# KiCad board processed.kicad_pcb (continued)
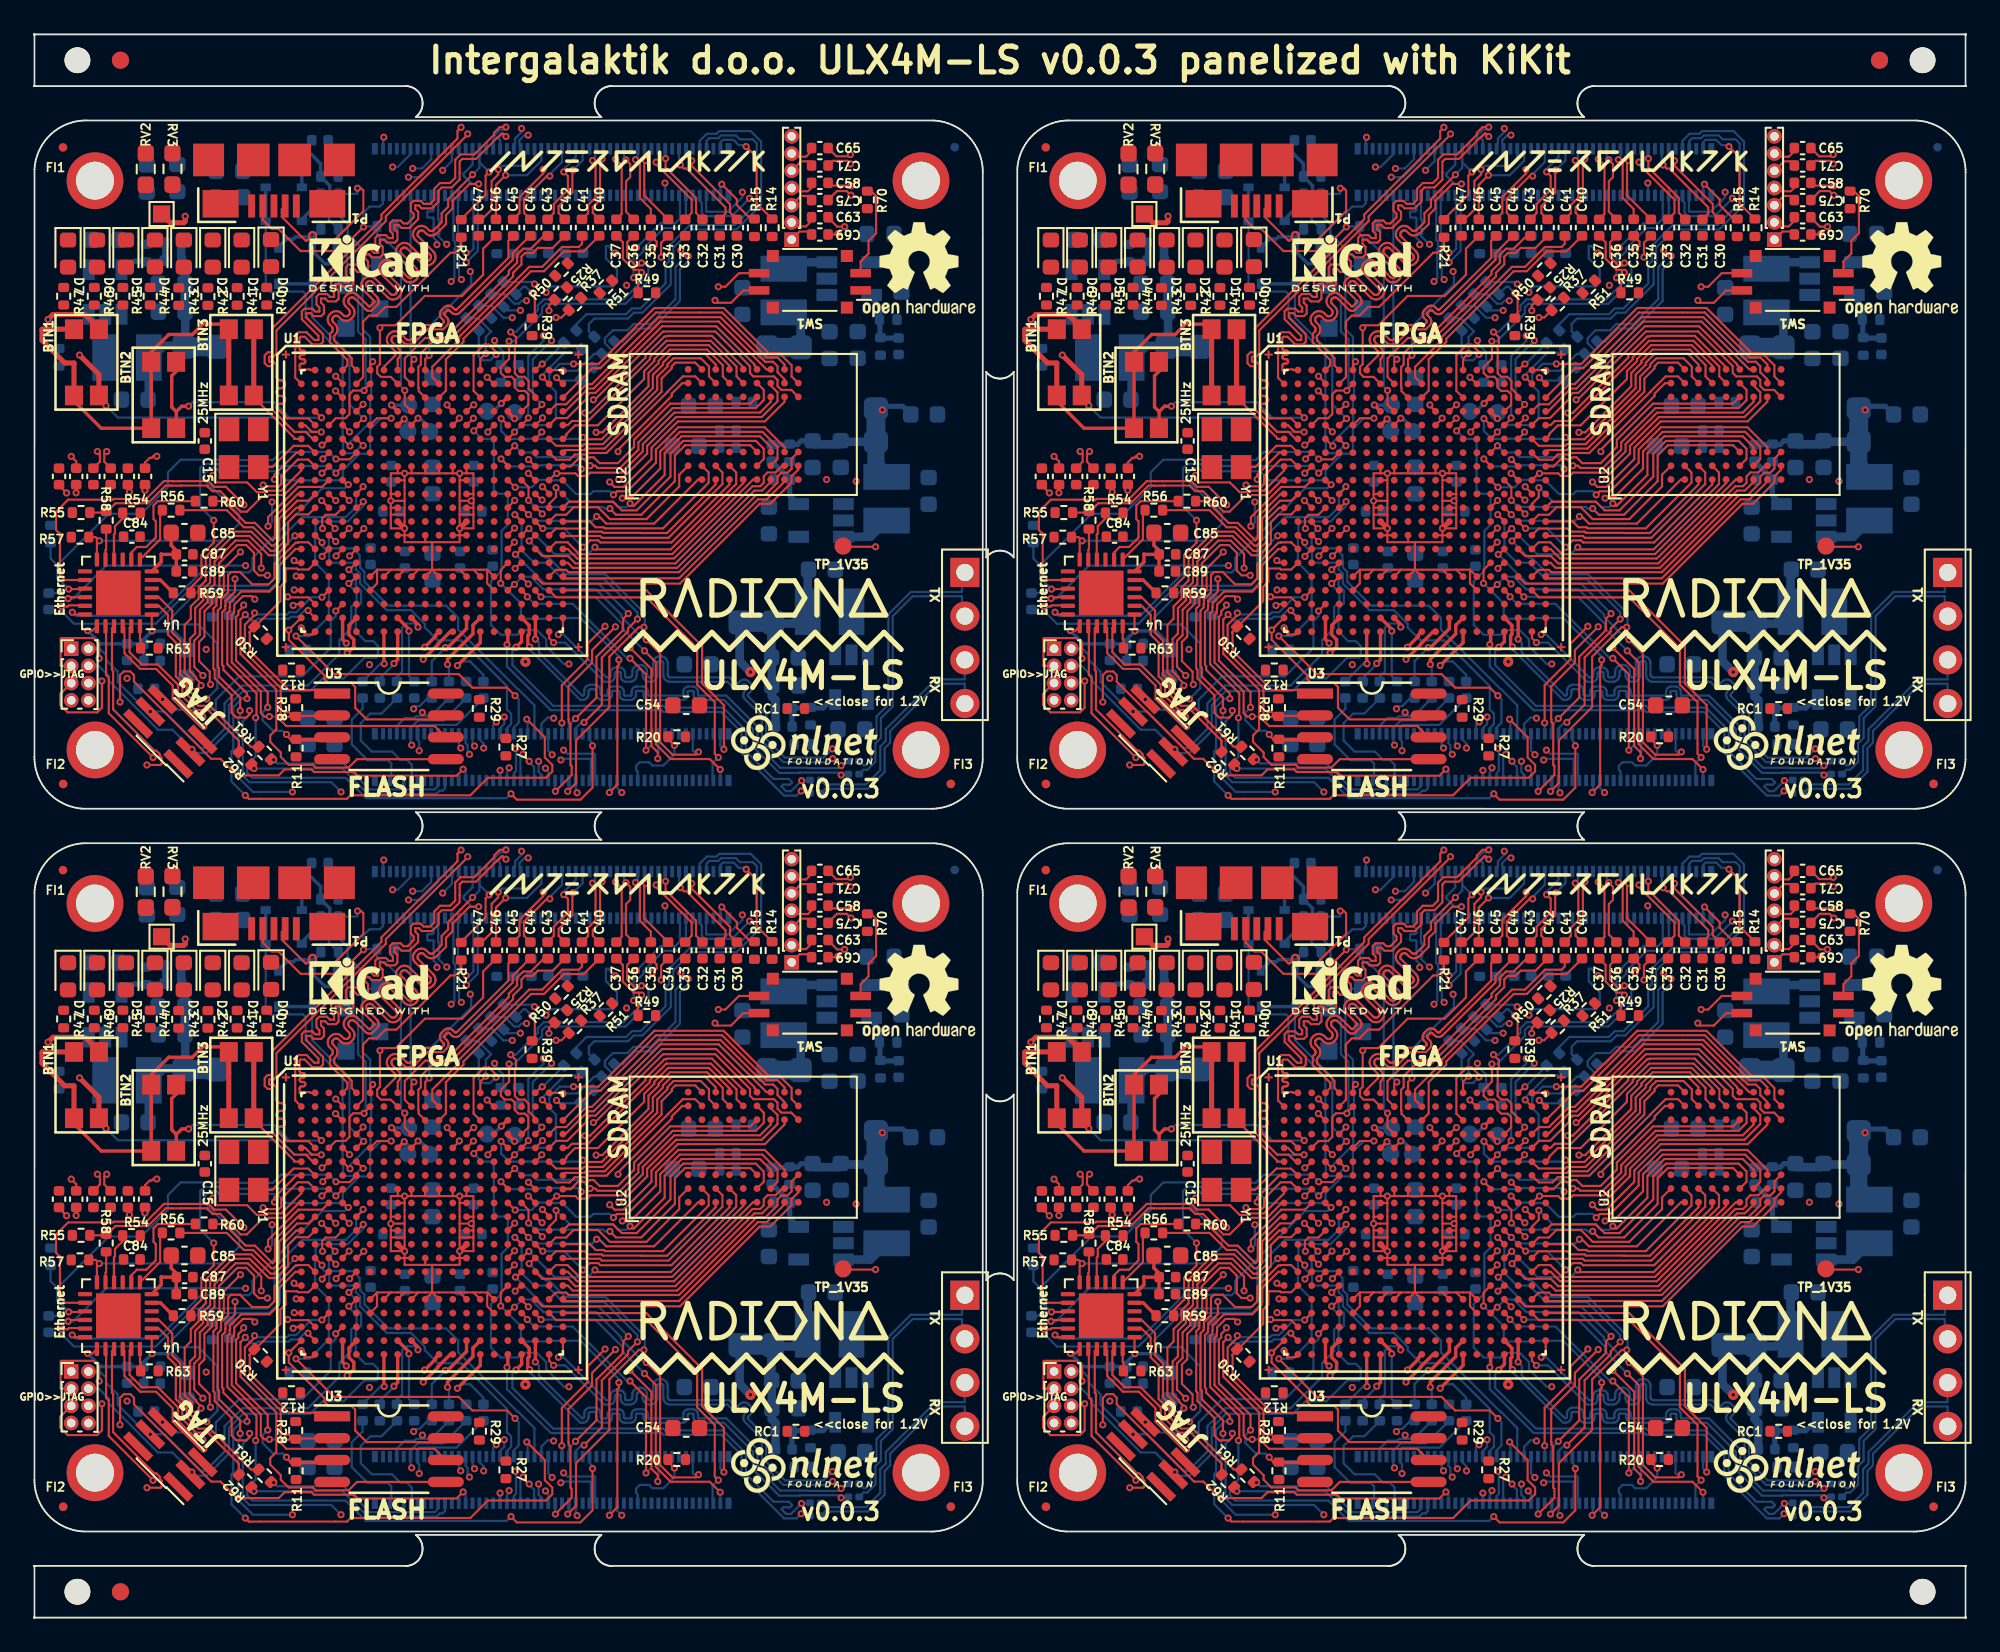
[diagram p0: board, top side]
## Routing (per net, layer and track width the routed paths; a pad name or vN(x,y) marks a point on that pad's centre or on a via; arc(x,y) is an arc through that point) (continued)
Board_0-CAM1_D0_P: length 20.4
  Top w0.127: v1(17.5,71.29) 17.89,70.9 U1.C4
  In2.Cu w0.127: v1(17.5,71.29) 17.71,71.49 17.71,71.63 18.58,72.5 18.6,72.52 18.66,72.59 18.7,72.68 18.72,72.77 18.72,72.87 18.7,72.96 18.66,73.05 18.6,73.12 18.38,73.34 18.36,73.37 18.34,73.41 18.33,73.46 18.33,73.5 18.34,73.54 18.36,73.58 18.38,73.62 18.42,73.64 18.46,73.66 18.5,73.67 18.54,73.67 18.58,73.66 18.62,73.64 18.66,73.62 18.88,73.4 18.95,73.34 19.04,73.3 19.13,73.27 19.23,73.27 19.32,73.3 19.41,73.34 19.48,73.4 19.5,73.42 19.5,73.42 19.54,73.42 20.68,74.56 20.7,74.57 20.71,74.58 20.72,74.58 20.74,74.58 20.76,74.58 20.77,74.57 20.78,74.56 20.89,74.46 20.94,74.41 21,74.38 21.07,74.37 21.14,74.37 21.21,74.38 21.27,74.41 21.33,74.46 21.46,74.59 21.5,74.65 21.54,74.71 21.55,74.78 21.55,74.85 21.54,74.91 21.5,74.98 21.46,75.03 21.36,75.14 21.35,75.15 21.34,75.16 21.34,75.18 21.34,75.19 21.34,75.21 21.35,75.22 21.36,75.24 21.43,75.31 21.43,75.94 21.43,75.97 21.44,76 21.45,76.02 21.47,76.04 21.5,76.05 21.53,76.06 21.55,76.07 21.85,76.07 21.88,76.07 21.91,76.08 21.93,76.09 21.95,76.11 21.96,76.14 21.97,76.17 21.98,76.19 21.97,76.22 21.96,76.25 21.95,76.27 21.93,76.29 21.91,76.31 21.88,76.32 21.85,76.32 21.55,76.32 21.53,76.32 21.5,76.33 21.47,76.35 21.45,76.37 21.44,76.39 21.43,76.42 21.43,76.45 21.43,76.53 22.06,77.16 22.11,77.23 22.15,77.31 22.17,77.39 22.17,77.47 22.15,77.56 22.11,77.63 22.06,77.7 21.84,77.92 21.82,77.94 21.81,77.97 21.8,78 21.8,78.03 21.81,78.07 21.82,78.1 21.84,78.12 21.87,78.14 21.9,78.15 21.93,78.16 21.96,78.16 21.99,78.15 22.02,78.14 22.04,78.12 22.26,77.91 22.33,77.85 22.4,77.82 22.49,77.8 22.57,77.8 22.66,77.82 22.73,77.85 22.8,77.91 22.83,77.94 22.89,78.01 22.92,78.08 22.94,78.17 22.94,78.25 22.92,78.34 22.89,78.41 22.83,78.48 22.62,78.69 22.6,78.72 22.58,78.75 22.58,78.78 22.58,78.81 22.58,78.84 22.6,78.87 22.62,78.9 22.64,78.92 22.67,78.93 22.7,78.94 22.74,78.94 22.77,78.93 22.8,78.92 22.82,78.9 23.04,78.68 23.1,78.63 23.18,78.59 23.27,78.57 23.35,78.57 23.43,78.59 23.51,78.63 23.58,78.68 24.05,79.16 24.05,79.71 v1(23.96,79.81)
  Bottom w0.127: J2.17 23.46,82.2 23.46,82.17 23.46,81.75 23.47,81.74 23.46,81.72 23.46,81.69 23.46,81.3 23.46,81.27 23.47,81.25 23.49,81.22 23.51,81.2 23.53,81.19 23.53,81.06 23.53,80.91 23.51,80.89 23.49,80.87 23.47,80.85 23.46,80.82 23.46,80.8 23.46,80.77 23.47,80.74 23.49,80.72 23.51,80.7 23.53,80.68 23.53,80.57 23.53,80.4 23.51,80.39 23.49,80.37 23.47,80.34 23.46,80.32 23.46,80.29 23.94,79.81 v1(23.96,79.81)
Board_0-CAM1_D1_N: length 19.5
  Top w0.127: v1(19.1,70.51) 18.71,70.12 U1.D5
  In2.Cu w0.127: v1(24.22,77.65) 24.55,77.32 24.55,76.57 24.55,76.57 24.53,76.55 24.5,76.54 24.48,76.54 24.45,76.54 24.43,76.54 24.4,76.55 24.38,76.57 24.28,76.68 24.21,76.73 24.14,76.76 24.07,76.78 23.99,76.78 23.91,76.76 23.84,76.73 23.78,76.68 23.73,76.63 23.68,76.57 23.65,76.5 23.63,76.42 23.63,76.34 23.65,76.26 23.68,76.19 23.73,76.13 24.01,75.85 24.01,75.85 24.27,75.58 24.29,75.56 24.3,75.54 24.31,75.51 24.31,75.49 24.3,75.46 24.29,75.44 24.27,75.42 24.26,75.4 24.24,75.38 24.21,75.37 24.19,75.37 24.16,75.37 24.14,75.37 24.11,75.38 24.09,75.4 23.55,75.95 23.48,76 23.41,76.03 23.34,76.05 23.26,76.05 23.18,76.03 23.11,76 23.05,75.95 23,75.9 22.95,75.84 22.92,75.77 22.9,75.69 22.9,75.61 22.92,75.53 22.95,75.46 23,75.4 23.11,75.29 23.12,75.27 23.13,75.25 23.14,75.22 23.14,75.2 23.13,75.17 23.12,75.15 23.11,75.13 22.83,74.85 21.21,73.23 21.21,72.73 20.7,72.22 20.67,72.2 20.65,72.19 20.62,72.18 20.59,72.18 20.57,72.19 20.54,72.2 20.52,72.22 20.49,72.25 20.47,72.27 20.44,72.28 20.41,72.28 20.39,72.28 20.36,72.28 20.33,72.27 20.31,72.25 20.29,72.23 20.28,72.2 20.27,72.17 20.27,72.14 20.28,72.12 20.29,72.09 20.31,72.07 20.34,72.04 20.36,72.02 20.37,71.99 20.37,71.97 20.37,71.94 20.37,71.91 20.36,71.88 20.34,71.86 20.32,71.84 20.29,71.83 20.26,71.83 20.23,71.83 20.21,71.83 20.18,71.84 20.16,71.86 19.99,72.03 19.97,72.05 19.94,72.06 19.91,72.07 19.89,72.07 19.86,72.06 19.83,72.05 19.81,72.03 19.79,72.01 19.78,71.98 19.77,71.95 19.77,71.93 19.78,71.9 19.79,71.87 19.81,71.85 19.98,71.68 20,71.66 20.01,71.63 20.01,71.61 20.01,71.58 20.01,71.55 20,71.52 19.98,71.5 19.9,71.42 19.89,71.41 19.87,71.41 19.86,71.4 19.84,71.4 19.83,71.41 19.81,71.41 19.79,71.43 19.77,71.44 19.76,71.44 19.74,71.44 19.73,71.44 19.71,71.43 19.7,71.42 19.62,71.34 19.61,71.33 19.6,71.32 19.6,71.3 19.6,71.29 19.6,71.27 19.61,71.26 19.63,71.23 19.64,71.22 19.64,71.2 19.64,71.19 19.64,71.17 19.63,71.16 19.62,71.14 19.1,70.62 v1(19.1,70.51)
  Bottom w0.127: v1(24.22,77.65) 24.41,77.84 24.41,79.52 24.45,79.57 24.45,79.94 24.35,80.04 24.35,82.55 J2.21
Board_0-CAM1_D1_P: length 20.5
  Top w0.127: U1.E4 17.92,69.3 v1(18.31,68.91)
  In2.Cu w0.127: v1(24.81,77.76) 24.81,76.47 24.73,76.39 24.73,76.39 24.72,76.37 24.65,76.32 24.58,76.29 24.51,76.27 24.43,76.27 24.35,76.29 24.28,76.32 24.22,76.37 24.11,76.48 24.09,76.49 24.06,76.51 24.04,76.51 24.01,76.51 23.99,76.51 23.96,76.49 23.94,76.48 23.93,76.46 23.91,76.44 23.9,76.42 23.9,76.39 23.9,76.37 23.9,76.34 23.91,76.32 23.93,76.3 24.19,76.03 24.19,76.03 24.47,75.75 24.52,75.69 24.56,75.62 24.57,75.54 24.57,75.46 24.56,75.38 24.52,75.31 24.47,75.25 24.43,75.2 24.36,75.15 24.29,75.12 24.22,75.1 24.14,75.1 24.06,75.12 23.99,75.15 23.93,75.2 23.38,75.75 23.36,75.77 23.33,75.78 23.31,75.78 23.28,75.78 23.26,75.78 23.23,75.77 23.21,75.75 23.2,75.73 23.18,75.71 23.17,75.69 23.17,75.66 23.17,75.64 23.17,75.61 23.18,75.59 23.2,75.57 23.31,75.46 23.36,75.4 23.39,75.33 23.41,75.25 23.41,75.17 23.39,75.09 23.36,75.02 23.31,74.96 23.29,74.95 23.01,74.67 21.47,73.13 21.47,72.62 19.52,70.67 19.52,70.12 19.27,70.12 19.23,70.08 18.77,70.08 18.72,70.03 18.72,69.32 v1(18.31,68.91)
  Bottom w0.127: J2.23 24.61,82.6 24.61,80.15 24.71,80.05 24.71,79.45 24.67,79.41 24.67,77.9 v1(24.81,77.76)
Board_0-Camera_GPIO: length 18.4
  Top w0.127: v1(39.74,49.99) 39.53,50.2 39.53,53.19 38.51,54.22 38.51,56.34 35.56,59.29 30.32,59.29 U1.U19
  Bottom w0.127: J1.97 39.41,48.69 39.41,49.65 v1(39.74,49.99)
Board_0-CLK_25MHz: length 4
  Top w0.127: U1.G2 15.91,68.09 15.06,68.09 13.82,66.86 Y1.3
Board_0-CM4_1.8V: length 0.4
  Bottom w0.127: J1.88 J1.90
Board_0-DSI0_C_N: length 15.6
  Top w0.127: R39.1 29.08,75.67 29.08,76.81 v1(28.91,76.97)
  In2.Cu w0.127: v1(34.41,77.42) 29.56,77.42 29.1,76.97 v1(28.91,76.97)
  In3.Cu w0.127: v1(34.41,77.42) 34.42,77.43 34.42,79.05 v1(34.98,79.61)
  Bottom w0.127: v1(34.98,79.61) 36.4,81.03 37.24,81.03 37.51,81.3 37.51,82.59 J2.87 ; R38.2 28.42,77.35 28.54,77.35 v1(28.91,76.97)
Board_0-DSI0_C_P: length 16.9
  Top w0.127: R49.1 35.08,77.6 v1(34.82,77.86)
  In2.Cu w0.127: v1(34.82,77.86) 34.53,77.86 32.77,79.61 31.17,79.61 v1(29.06,77.5)
  Bottom w0.127: v1(34.82,77.86) 34.82,79.17 35.15,79.17 35.38,79.4 35.39,79.4 35.39,79.57 36.57,80.75 37.34,80.75 37.86,81.26 J2.89 ; R26.1 28.94,77.62 v1(29.06,77.5)
Board_0-DSI0_D1_P: length 25.7
  In2.Cu w0.127: v1(29.74,77.01) 29.74,76.8 28.48,75.54 v1(27.77,75.54) 27.44,75.54 26.74,74.84 v1(26.74,74.21) ; v1(33.76,79.3) 32.82,80.24 32.82,82.59 34.14,83.91 34.98,83.91 36,82.89 36.64,82.89 v1(36.64,83.37)
  Bottom w0.127: v1(36.64,83.37) 36.66,83.35 J2.83 ; v1(33.76,79.3) 33.35,79.71 33.21,79.71 33.21,78.99 33.85,78.35 33.85,77.6 33.61,77.36 30.01,77.36 29.74,77.08 v1(29.74,77.01) ; R52.1 27.25,72.94 27.25,73.55 26.74,74.06 v1(26.74,74.21) ; R24.1 26.57,76.23 27.25,75.54 v1(27.77,75.54)
Board_0-DSI1_D2_N: length 21.5
  In2.Cu w0.127: v1(41.56,82.48) 41.75,82.29 41.75,80.73 40.69,79.67 37.77,79.67 v1(37.56,79.46)
  Bottom w0.127: v1(41.56,82.48) 40.53,81.44 38.96,81.44 38.78,81.62 38.78,82.21 38.66,82.33 J2.93 ; v1(37.56,79.46) 37.56,78.79 37.25,78.48 37.25,76.62 35.8,75.17 34.81,75.17 34.45,74.81 33.61,74.81 33.15,74.34 33.15,74.06 33.53,73.67 33.53,73.26 32.91,72.65 R34.2
Board_0-DSI1_D2_P: length 19.1
  In2.Cu w0.127: v1(37.99,79.12) 38.28,79.41 40.79,79.41 42,80.62 42,82.75 41.71,83.04 41.35,83.04 v1(41.14,82.83)
  Bottom w0.127: R22.1 34.17,74.16 34.92,74.91 35.9,74.91 37.51,76.51 37.51,78.34 37.99,78.83 v1(37.99,79.12) ; J2.95 39.03,82.62 39.03,81.73 39.07,81.7 40.3,81.7 41.14,82.54 v1(41.14,82.83)
Board_0-DSI1_D3_N: length 23.1
  Bottom w0.127: R35.2 32.22,74.75 32.22,75.18 32.53,75.49 34.49,75.49 34.83,75.83 35.33,75.83 36.98,77.47 36.98,78.56 37.13,78.71 37.13,79.6 38.19,80.67 40.8,80.67 42.23,82.1 42.23,85.78 41.62,86.38 39.8,86.38 39.64,86.23 39.07,86.23 38.66,85.81 J2.94
Board_0-DSI1_D3_P: length 22.1
  Bottom w0.127: R23.1 31.49,75.15 32.08,75.74 34.39,75.74 34.73,76.08 35.23,76.08 36.67,77.53 36.67,78.62 36.87,78.82 36.87,79.71 38.08,80.92 40.69,80.92 41.98,82.2 41.98,85.67 41.75,85.9 41,85.9 40.77,86.13 39.9,86.13 39.74,85.97 39.22,85.97 39.06,85.81 J2.96
Board_0-ETH_0N: length 30.1
  Top w0.127: U4.20 4.16,57.57 4.16,54.77 4.32,54.62 4.32,52.55 v1(6.89,49.98)
  In2.Cu w0.127: v1(6.89,49.98) 7.64,49.98 8.23,49.39 8.92,49.39 9.53,50 13.04,50 13.65,49.39 14.01,49.39 14.43,49.8 14.95,49.8 15.26,50.11 21.33,50.11 v1(21.92,50.7)
  Bottom w0.127: C70.2 23.78,52.13 22.29,52.13 21.86,51.7 J1.10 21.86,50.77 v1(21.92,50.7)
Board_0-ETH_0P: length 33.2
  Top w0.127: U4.21 4.5,57.48 4.5,55.07 4.57,55 4.57,52.77 6.97,50.38 7.09,50.38 7.29,50.18 7.29,50.06 7.39,49.96 7.39,49.61 7.32,49.55 v1(6.54,49.55)
  In2.Cu w0.127: v1(22.36,50.37) 21.84,49.86 15.36,49.86 15.05,49.55 14.53,49.55 14.12,49.13 13.54,49.13 12.93,49.75 9.64,49.75 9.03,49.13 8.12,49.13 7.68,49.58 6.57,49.58 v1(6.54,49.55)
  Bottom w0.127: v1(22.36,50.37) 22.36,50.91 22.26,51.01 J1.12 22.26,51.74 22.39,51.88 24.53,51.88 C64.1
Board_0-ETH_1N: length 27.5
  Top w0.127: v1(9.84,51.79) 9.64,51.79 8.04,53.39 8.04,54.16 7.07,55.13 6.14,55.13 5.23,56.04 5.23,57.51 U4.22
  In2.Cu w0.127: v1(9.84,51.79) 10.63,51 13.2,51 13.95,50.25 14.2,50.25 14.56,50.61 15.2,50.61 15.8,51.21 21.15,51.21 v1(22.54,52.6)
  Bottom w0.127: C74.2 23.04,52.38 ; 23.04,52.38 22.18,52.38 22.08,52.28 21.53,52.28 21.06,51.81 J1.6 ; 23.04,52.38 22.76,52.38 v1(22.54,52.6)
Board_0-ETH_1P: length 23.1
  Top w0.127: U4.23 5.53,57.51 5.53,56.1 6.25,55.38 7.17,55.38 8.34,54.22 8.34,53.44 9.45,52.33 v1(9.78,52.33)
  In2.Cu w0.127: v1(9.78,52.33) 10.08,52.33 11.15,51.26 13.34,51.26 14.1,50.5 14.46,50.86 15.05,50.86 15.65,51.46 20.69,51.46 v1(22.04,52.81)
  Bottom w0.127: v1(22.04,52.81) 22.19,52.96 22.38,52.96 22.85,53.44 C57.1
Board_0-ETH_2N: length 8.2
  Bottom w0.127: J1.9 21.93,48.72 21.93,49.56 21.65,49.84 21.27,49.84 20.78,50.33 19.6,50.33 18.97,50.96 18.97,51.98 19.52,52.53 20.17,52.53 C73.2
Board_0-ETH_3P: length 6.7
  Bottom w0.127: J1.3 20.74,48.73 20.74,49.63 20.55,49.82 19.37,49.82 18.44,50.75 18.44,52.19 19.07,52.82 C62.1
Board_0-ETH_MDIO: length 29.2
  Top w0.127: U4.12 3.63,62.44 v1(3.77,62.58) 3.56,62.79 R57.2 ; U1.E6 19.91,69.7 v1(20.73,69.7)
  Bottom w0.127: v1(3.77,62.58) 10.91,62.58 11.9,63.57 11.9,64.1 9.89,66.11 9.89,66.49 10.18,66.78 10.56,66.78 10.73,66.62 14.1,66.62 14.63,66.09 17.69,66.09 17.92,66.32 17.92,66.67 18.89,67.64 19.37,67.64 19.51,67.78 19.51,69.07 20.14,69.7 v1(20.73,69.7)
Board_0-ETH_nLED1: length 12.6
  Top w0.127: R62.1 12.76,49.42 v1(12.76,49.34)
  Bottom w0.127: v1(12.76,49.34) 17.9,49.34 19.37,47.87 23.37,47.87 23.55,48.05 23.72,48.05 23.86,48.19 J1.19
Board_0-ETH_nLED2: length 10.9
  Top w0.127: v1(13.91,49.85) 13.78,49.85 R61.1
  Bottom w0.127: J1.17 23.46,48.32 23.26,48.12 19.48,48.12 17.97,49.64 14.12,49.64 v1(13.91,49.85)
Board_0-ETH_~{RESET}: length 26.3
  Top w0.127: v1(17.52,67.33) 17.54,67.3 18.32,67.3 U1.G5 ; U4.15 2.91,59.77 v1(1.99,59.77)
  Bottom w0.127: C83.2 1.27,59.54 1.5,59.77 v1(1.99,59.77) 1.33,60.43 1.33,61.16 ; 1.33,61.16 4.32,64.15 6.21,64.15 7.76,65.7 7.76,66.56 8.49,67.29 10.77,67.29 10.79,67.27 13.86,67.27 14.33,67.74 17.11,67.74 v1(17.52,67.33) ; 1.33,61.16 0.94,61.55 R53.2
Board_0-FPDI_D1+: length 17
  Top w0.127: v1(35.91,79.47) 36.16,79.72 36.16,79.96 C35.1 ; v1(29.49,70.5) 29.49,70.47 U1.D18
  In2.Cu w0.127: v1(35.91,79.47) 36.58,79.47 36.93,79.12 36.93,77.53 36.38,76.99 35.41,76.99 34.18,75.76 32.37,75.76 31.05,74.44 30.28,74.44 v1(30.05,74.21)
  Bottom w0.127: v1(30.05,74.21) 28.96,73.12 28.96,71.03 v1(29.49,70.5)
Board_0-FPDI_D1-: length 17
  Top w0.127: v1(28.7,69.72) 28.7,69.69 U1.E17 ; C34.1 36.42,79.9 v1(36.42,79.06)
  In2.Cu w0.127: v1(29.58,74.49) 29.79,74.7 30.95,74.7 32.27,76.01 34.08,76.01 35.31,77.24 36.28,77.24 36.63,77.59 36.63,78.85 v1(36.42,79.06)
  Bottom w0.127: v1(28.7,69.72) 28.7,73.31 29.58,74.19 v1(29.58,74.49)
Board_0-FPDI_D2+: length 17.1
  Top w0.127: v1(35.28,78.17) 35.13,78.32 34.84,78.32 34.19,78.96 34.19,79.92 C37.1 ; v1(27.68,74.71) 27.99,74.4 27.99,73.92 27.92,73.85 27.92,72.31 28.12,72.1 28.48,72.1 28.72,71.86 28.72,71.42 29.11,71.03 U1.C18
  Bottom w0.127: v1(27.68,74.71) 27.97,74.71 29.25,75.98 29.25,76.25 29.6,76.6 34.24,76.6 35.28,77.65 v1(35.28,78.17)
Board_0-FPDI_D2-: length 19.2
  Top w0.127: v1(35.28,78.72) 35.13,78.57 34.94,78.57 34.45,79.07 34.45,79.92 C36.1 ; v1(27.58,74.17) 27.58,73.14 27.1,72.66 27.1,72.33 27.32,72.1 27.73,72.1 27.91,71.93 27.91,71.5 28.12,71.29 28.5,71.29 28.7,71.08 28.7,70.49 U1.D17
  Bottom w0.127: v1(35.28,78.72) 35.58,78.72 35.68,78.61 35.68,77.68 34.35,76.35 29.71,76.35 29.5,76.14 29.5,75.79 27.88,74.17 v1(27.58,74.17)
Board_0-GLOBAL_EN: length 18.7
  Top w0.127: v1(35.45,56.18) 36.11,55.52 36.11,50.76 36.97,49.89 39.24,49.89 v1(39.85,49.29) ; v1(29.44,59.32) 29.11,59.65 U1.U18
  Bottom w0.127: v1(39.85,49.29) 39.86,49.28 J1.99 ; v1(35.45,56.18) 34.16,57.47 34.16,57.74 32.59,59.32 v1(29.44,59.32)
Board_0-GN0: length 14.4
  Top w0.127: C40.1 31.92,79.39 30.77,79.39 29.61,78.24 28.85,78.24 24.93,74.32 24.93,74.14 23.91,73.11 23.91,71.3 U1.C11
Board_0-GN3: length 14.4
  Top w0.127: U1.C10 22.33,71.27 22.33,71.46 22.31,71.49 22.31,72.67 22.46,72.82 22.46,73.46 23.1,74.11 23.99,74.11 27.82,77.94 27.82,78.15 28.3,78.64 28.3,79.09 28.51,79.29 28.96,79.29 29.26,79.59 30.12,79.59 C42.1
Board_0-GN4: length 14
  Top w0.127: C44.1 28.79,80.3 27.79,79.3 27.79,78.91 24.73,75.84 24.67,75.79 24.6,75.76 24.52,75.74 24.44,75.74 24.37,75.76 24.3,75.79 24.24,75.84 24.14,75.94 24.12,75.96 24.09,75.97 24.07,75.98 24.04,75.98 24.02,75.97 24,75.96 23.98,75.94 23.86,75.82 23.84,75.8 23.83,75.78 23.82,75.76 23.82,75.73 23.83,75.71 23.84,75.68 23.86,75.66 23.96,75.56 24.01,75.5 24.04,75.43 24.06,75.36 24.06,75.28 24.04,75.2 24.01,75.13 23.96,75.07 23.75,74.86 22.84,74.86 22.08,74.1 22,74.04 21.91,73.99 21.81,73.97 21.71,73.97 21.61,73.99 21.52,74.04 21.44,74.1 21.12,74.42 21.08,74.45 21.04,74.47 20.99,74.48 20.94,74.48 20.89,74.47 20.85,74.45 20.81,74.42 20.78,74.38 20.76,74.34 20.74,74.29 20.74,74.24 20.76,74.19 20.78,74.14 20.81,74.1 21.13,73.78 21.19,73.7 21.24,73.61 21.26,73.52 21.26,73.42 21.24,73.32 21.19,73.23 21.13,73.15 21.11,73.13 U1.A8
Board_0-GN5: length 14
  Top w0.127: U1.B8 20.71,72.1 20.13,72.1 19.92,72.31 19.92,72.68 20.08,72.84 v1(20.08,74.95) 20.22,75.1 20.98,75.1 22.69,76.81 24.85,76.81 26.07,78.03 26.07,79.55 C46.1
Board_0-GP0: length 13.4
  Top w0.127: U1.B11 23.12,72.09 23.12,72.68 24.68,74.24 24.68,74.42 28.75,78.49 29.51,78.49 30.66,79.65 31.63,79.65 31.82,79.84 C41.1
Board_0-GP3: length 13.3
  Top w0.127: C43.1 29.6,80.3 28.85,79.55 28.41,79.55 28.05,79.19 28.05,78.74 27.56,78.26 27.56,78.07 23.86,74.37 22.71,74.37 21.52,73.18 21.52,72.09 U1.B9
Board_0-GP4: length 13.9
  Top w0.127: U1.A7 20.31,72.69 20.93,73.31 20.96,73.35 20.98,73.39 20.99,73.44 20.99,73.49 20.98,73.54 20.96,73.58 20.93,73.62 20.61,73.94 20.55,74.02 20.5,74.11 20.48,74.21 20.48,74.31 20.5,74.41 20.55,74.5 20.61,74.58 20.65,74.62 20.73,74.68 20.82,74.73 20.92,74.75 21.02,74.75 21.11,74.73 21.2,74.68 21.28,74.62 21.6,74.3 21.64,74.27 21.69,74.25 21.74,74.23 21.79,74.23 21.84,74.25 21.88,74.27 21.92,74.3 22.74,75.12 23.64,75.12 23.77,75.24 23.78,75.26 23.79,75.28 23.8,75.31 23.8,75.33 23.79,75.35 23.78,75.38 23.77,75.4 23.66,75.5 23.61,75.56 23.58,75.63 23.56,75.7 23.56,75.78 23.58,75.86 23.61,75.93 23.66,75.99 23.81,76.14 23.87,76.19 23.94,76.22 24.02,76.24 24.1,76.24 24.17,76.22 24.24,76.19 24.3,76.14 24.4,76.03 24.42,76.02 24.45,76.01 24.47,76 24.49,76 24.52,76.01 24.54,76.02 24.56,76.03 25.22,76.7 27.54,79.01 27.54,80.02 C45.1
Board_0-GPIO2: length 19.7
  Top w0.127: v1(27.92,64.1) 28.31,63.71 U1.M17 ; v1(35.04,58.03) 34.49,57.48 34.49,57.31 32.97,55.79 32.97,53.05 v1(31.94,52.02)
  Bottom w0.127: v1(31.94,52.02) 31.79,52.02 31.46,51.69 J1.58 ; v1(35.04,58.03) 35.04,58.42 33.12,60.34 30.72,60.34 29.76,61.3 29.04,61.3 28.31,62.03 28.31,63.71 v1(27.92,64.1)
Board_0-GPIO3: length 16.9
  Top w0.127: v1(31.44,52.24) 32.66,53.46 32.66,55.83 34.21,57.38 34.21,58.05 v1(34.51,58.35) ; v1(27.95,61.79) 28,61.79 U1.P17
  Bottom w0.127: v1(27.95,61.79) 29.67,60.07 32.79,60.07 v1(34.51,58.35) ; v1(31.44,52.24) 31.06,51.86 J1.56
Board_0-GPIO4: length 15.4
  Top w0.127: v1(27.89,62.5) 27.51,62.12 U1.P16 ; v1(33.16,57.61) 32.15,56.6 32.15,55.69 30.65,54.18 v1(30.65,51.99)
  In2.Cu w0.127: v1(33.16,57.61) 32.74,58.03 32.74,58.22 30.69,60.27 30.69,60.38 29.28,61.79 28.52,61.79 27.89,62.42 v1(27.89,62.5)
  Bottom w0.127: J1.54 30.66,51.98 v1(30.65,51.99)
Board_0-GPIO5: length 48
  Top w0.127: U1.N1 15.17,62.9 v1(15.14,62.87)
  In2.Cu w0.127: v1(26.84,52.05) 27.05,51.84 27.05,50.47 26.72,50.14 26.2,50.14 26.06,49.99 25.68,49.99 25.4,49.71 23.87,49.71 23.19,49.04 20.55,49.04 20.53,49.02 20.15,49.02 19.77,49.39 16.93,49.39 16.81,49.27 14.61,49.27 14.21,48.87 12.84,48.87 12.76,48.94 11.75,48.94 11.46,48.65 8.24,48.65 7.57,49.32 6.89,49.32 6.71,49.15 6.37,49.15 6.14,49.38 6.14,49.81 6.7,50.38 7.01,50.38 v1(10.01,53.38)
  Bottom w0.127: v1(26.84,52.05) 26.66,51.86 J1.34 ; v1(10.01,53.38) 10.63,54 10.63,56.6 9.52,57.72 8.27,57.72 7.95,58.04 7.95,58.11 9.55,59.71 13.64,59.71 14.26,60.33 14.26,61.99 v1(15.14,62.87)
Board_0-GPIO6: length 21.2
  Top w0.127: v1(15.09,61.43) 15.22,61.3 U1.R1
  In2.Cu w0.127: v1(15.09,61.43) 15.61,60.91 15.61,60.59 16.5,59.7 18.08,59.7 19.14,59.69 20.29,58.55 20.54,58.55 20.61,58.61 24.3,58.61 25.07,57.84 25.07,56.43 26.43,55.07 26.43,53.37 26.03,52.97 26.03,50.6 v1(26.11,50.53)
  Bottom w0.127: v1(26.11,50.53) 26.11,50.79 25.86,51.04 J1.30
Board_0-GPIO7: length 21.6
  Top w0.127: U1.P3 16.72,61.71 v1(16.72,61.67)
  In2.Cu w0.127: v1(27.59,49.38) 27.56,49.41 27.56,50.69 27.7,50.84 27.7,52.53 27.49,52.74 27.43,52.74 26.7,53.46 26.7,55.16 25.32,56.54 25.32,57.98 24.43,58.86 20.33,58.86 18.7,60.49 18.08,60.49 17.23,60.5 16.72,61 v1(16.72,61.67)
  Bottom w0.127: J1.37 27.46,49.1 27.59,49.23 v1(27.59,49.38)
Board_0-GPIO8: length 21.2
  Top w0.127: U1.P4 17.53,61.72 v1(17.53,61.7)
  In2.Cu w0.127: v1(27.96,50.5) 27.96,52.63 27.6,52.99 27.53,52.99 26.96,53.57 26.96,55.26 25.59,56.63 25.59,58.1 25.1,58.59 25.1,59.46 24.89,59.67 20.14,59.67 18.51,61.29 17.93,61.29 v1(17.53,61.7)
  Bottom w0.127: J1.39 27.86,49.06 27.99,49.19 27.99,50.47 v1(27.96,50.5)
Board_0-GPIO9: length 28.6
  Top w0.127: v1(27.93,53.57) 27.47,54.04 25.45,54.04 24.66,54.83 17.41,54.83 v1(15.2,57.04) ; v1(19.11,64.85) 18.75,64.5 U1.L5
  Bottom w0.127: v1(15.2,57.04) 15.98,57.04 17.11,58.17 17.11,60.51 16.31,61.31 16.31,63 16.34,63.02 16.34,63.47 16.56,63.7 18.2,63.7 19.11,64.6 v1(19.11,64.85) ; v1(27.93,53.57) 28.14,53.36 28.14,52 27.86,51.72 J1.40
Board_0-GPIO10: length 48
  Top w0.127: v1(11.66,60.36) 11.66,59.63 11.1,59.07 11.1,58.8 11.09,58.79 11.09,58.6 10.91,58.42 10.91,55.36 10.98,55.29 10.98,55.07 12.36,53.7 v1(12.36,53.4) ; U1.K4 18.29,64.92 v1(18.29,64.92) ; v1(28.61,52.21) 29.66,51.16 29.66,49.99 30.09,49.55 30.09,49.17 29.73,48.81 26.35,48.81 25.33,47.79 18.37,47.79 18.16,47.58 12.46,47.58 v1(12.26,47.78)
  In2.Cu w0.127: v1(18.29,64.92) 17.64,65.57 15.97,65.57 13.98,63.57 13.98,62.72 12.82,61.57 12.2,61.57 12.17,61.53 12.1,61.53 11.66,61.09 v1(11.66,60.36)
  Bottom w0.127: J1.44 28.66,52.16 v1(28.61,52.21) ; v1(12.36,53.4) 12.06,53.4 11.56,52.9 11.56,50.44 11.45,50.33 11.45,48.59 v1(12.26,47.78)
Board_0-GPIO11: length 18.8
  Top w0.127: U1.N2 16.71,62.49 v1(16.71,62.48)
  Bottom w0.127: v1(16.71,62.48) 16.71,62.29 17.13,61.87 17.13,61.3 17.14,61.3 18.51,61.29 18.68,61.13 18.68,60.91 18.93,60.66 18.93,60.09 20.47,58.54 21.89,58.54 22.69,57.74 22.69,57.54 23.44,56.79 24.8,56.79 27.46,54.13 27.46,52.77 27.7,52.53 27.7,51.92 27.46,51.68 J1.38
Board_0-GPIO12: length 29.6
  Top w0.127: v1(3.76,55.74) 3.76,56.59 3.44,56.92 1.56,56.92 1.52,56.88 1.52,55.32 1.54,55.31 J6.3 ; v1(9.69,54.17) 9.69,54.27 9.4,54.55 9.4,54.63 9.03,54.99 9.03,56.88 9.34,57.18 9.34,58.66 9.8,59.12 9.8,59.75 10.21,60.16 10.21,61.54 11.53,62.85 12.5,62.85 13.62,61.73 14.06,61.73 14.74,62.41 14.74,63.65 15.19,64.1 15.92,64.1 U1.L2
  In2.Cu w0.127: v1(3.76,55.74) 3.93,55.58 3.93,55.35 4.04,55.35 5.2,54.18 6.86,54.18 7.34,54.67 9.19,54.67 v1(9.69,54.17)
Board_0-GPIO13: length 21.4
  Top w0.127: U1.T1 15.24,60.5 v1(15.21,60.52)
  In2.Cu w0.127: v1(15.21,60.52) 15.21,60.22 16.54,58.89 17.06,58.89 17.11,58.85 17.11,57.91 17.44,57.58 18.47,57.58 18.88,57.17 20.6,57.17 21.79,58.36 24.19,58.36 24.81,57.73 24.81,56.33 26.16,54.98 26.16,53.51 25.57,52.92 v1(25.57,50.65)
  Bottom w0.127: v1(25.57,50.65) 25.46,50.77 J1.28
Board_0-GPIO14: length 22
  Top w0.127: v1(35.42,57.56) 35.12,57.56 33.41,55.84 33.41,52.91 31.47,50.97 31.47,48.5 v1(30.99,48.02) ; v1(28.75,62.57) 29.08,62.9 U1.N18
  Bottom w0.127: v1(35.42,57.56) 35.47,57.61 35.47,58.35 33.19,60.63 30.86,60.63 29.89,61.6 29.72,61.6 v1(28.75,62.57) ; J1.55 31.06,48.08 v1(30.99,48.02)
Board_0-GPIO15: length 21
  Top w0.127: U1.N16 27.51,62.92 v1(27.9,63.31) ; v1(30.27,48.02) 31.22,48.96 31.22,49.48 31.15,49.55 31.15,51.93 31.05,52.03 31.05,52.18 31.03,52.2 31.03,54.12 32.41,55.49 32.41,56.22 v1(33.76,57.58)
  In2.Cu w0.127: v1(27.9,63.31) 28.33,62.88 28.33,62.39 28.68,62.04 29.51,62.04 30.94,60.61 30.94,60.47 33.21,58.2 33.21,58.13 v1(33.76,57.58)